# Altium PCB RoBeast_Control_Board_PCB.PcbDoc (part 1 of 3)
Units mm, origin at the board's own origin, x right, y up, seen from the top; angles counter-clockwise.
Board outline 150 x 150 mm, 4 copper layers (SIG, GND1, PWR/SIG/GND2, GND3), stack 0.603 mm thick; 310 components, 148 nets, 806 pads, 385 vias.
Unrouted connection lines stored in the file: 242.
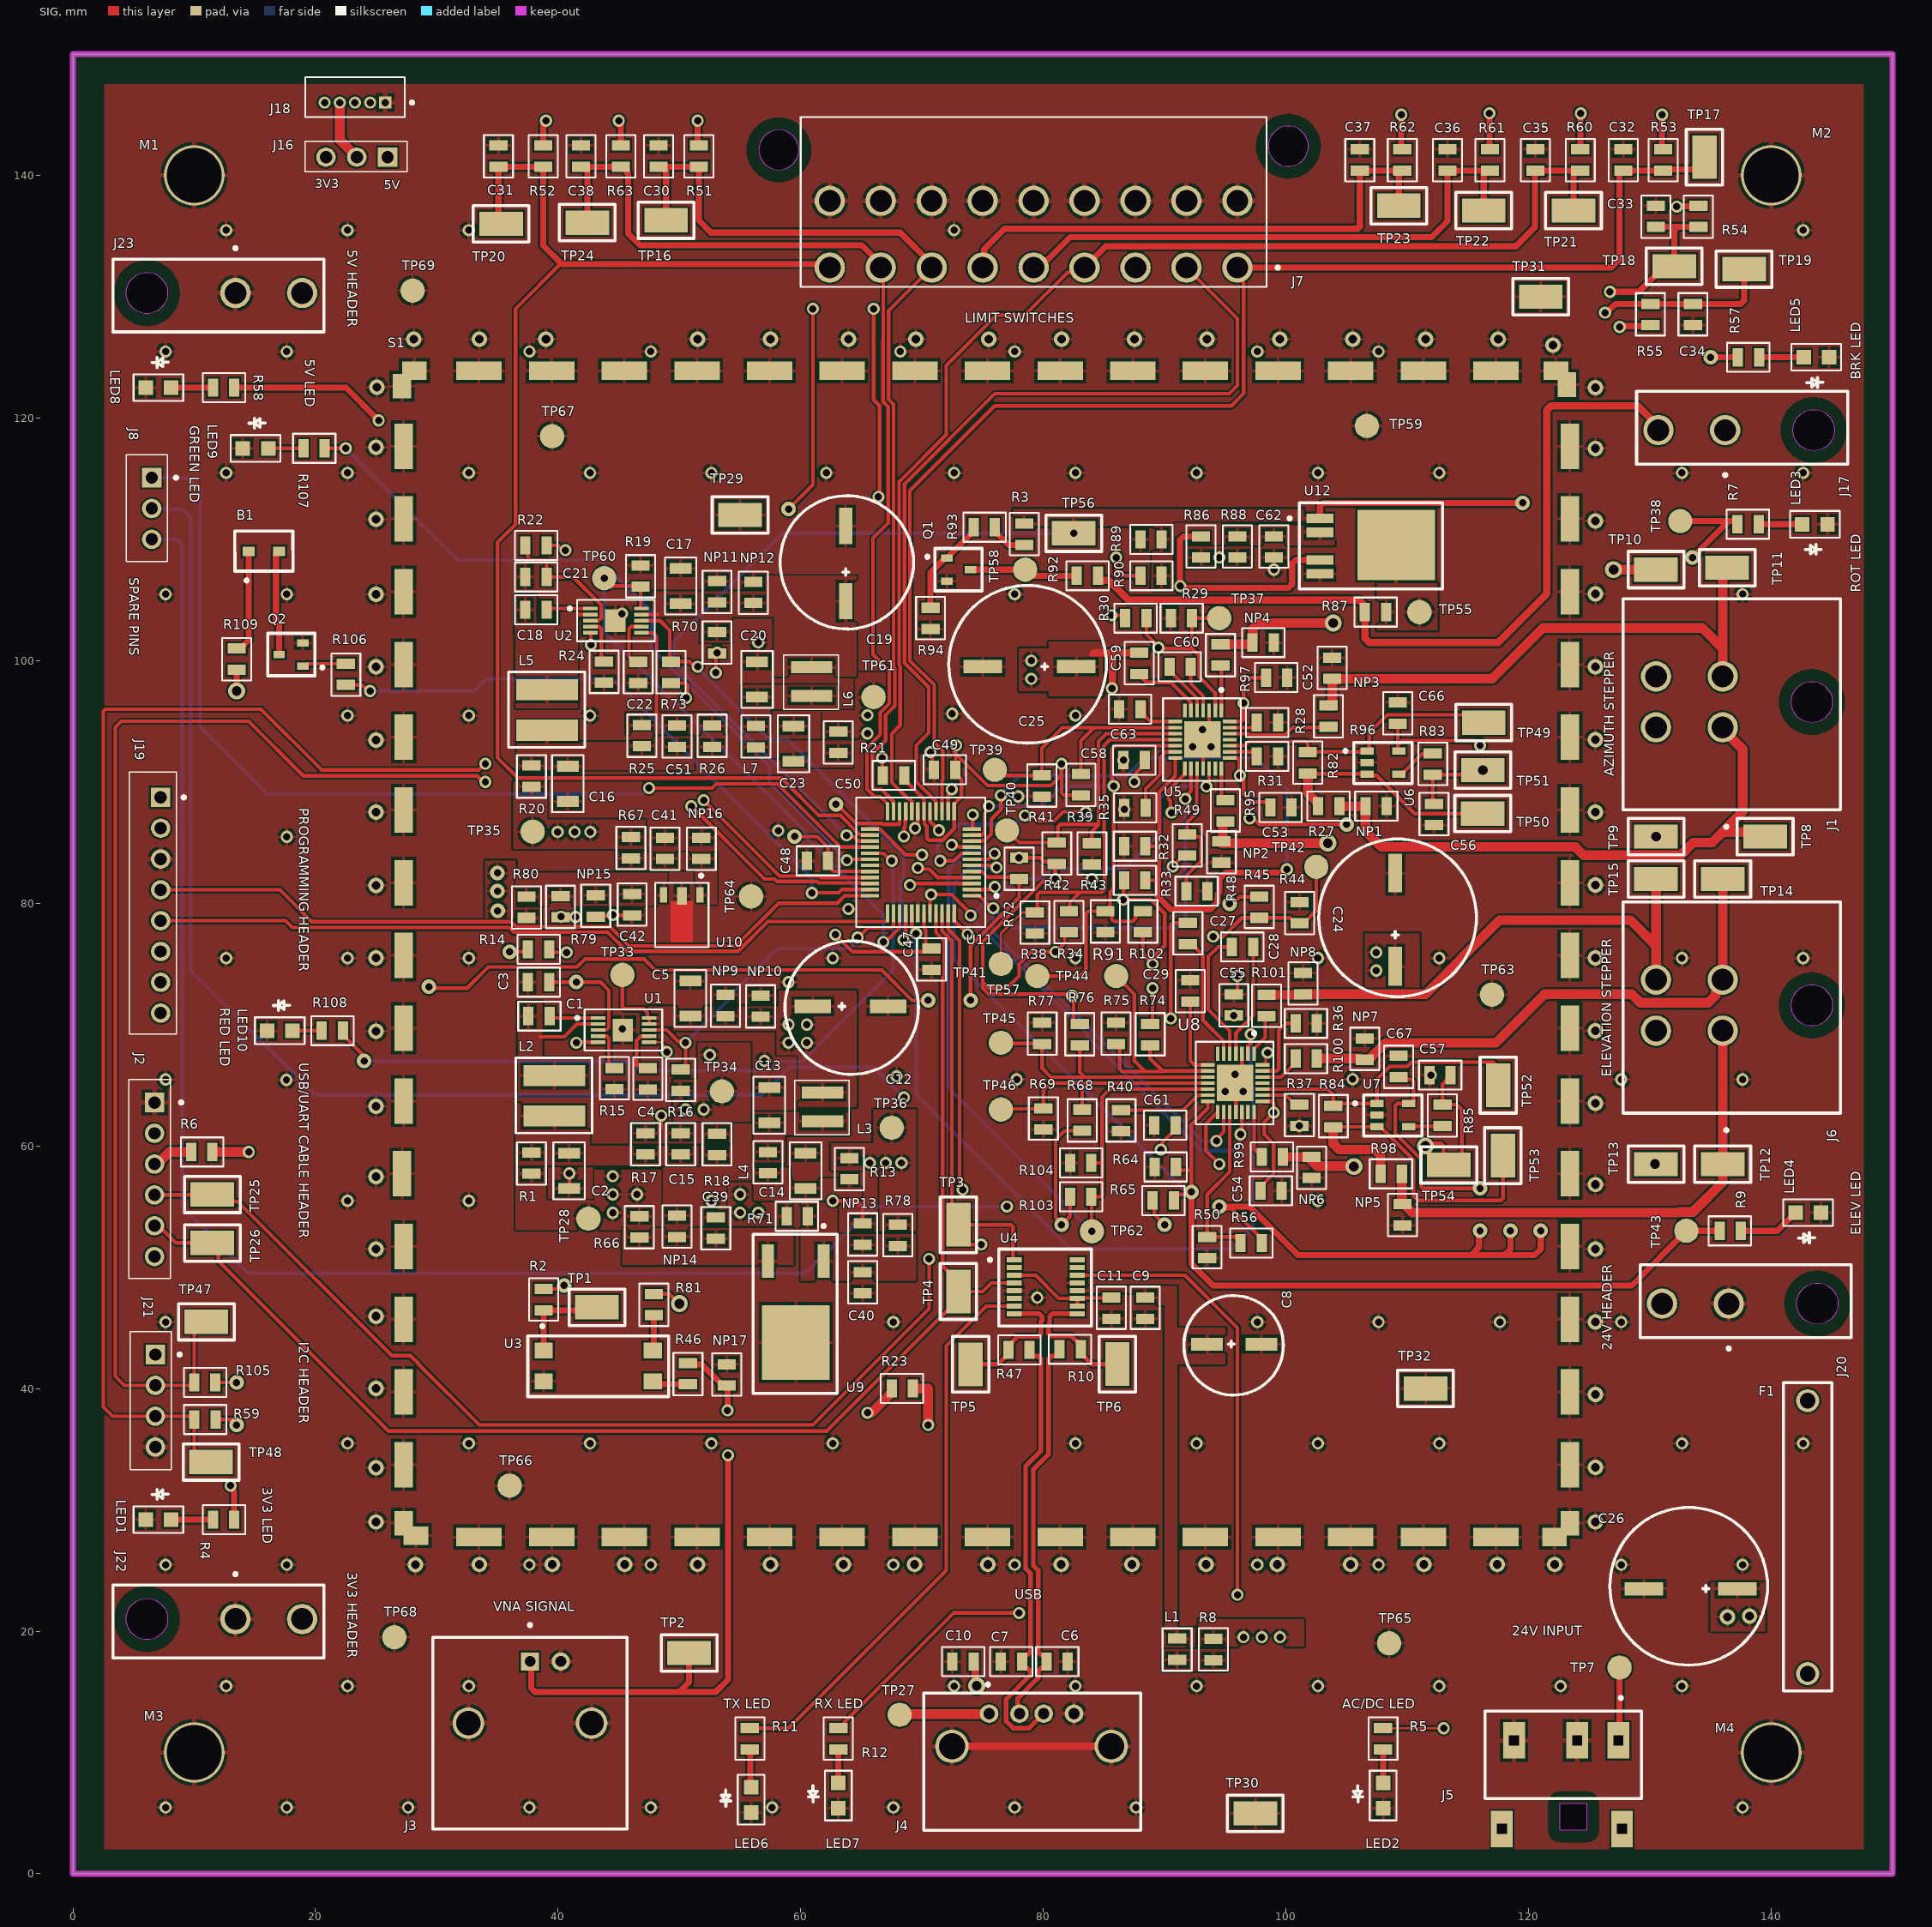
[diagram p0: SIG view]
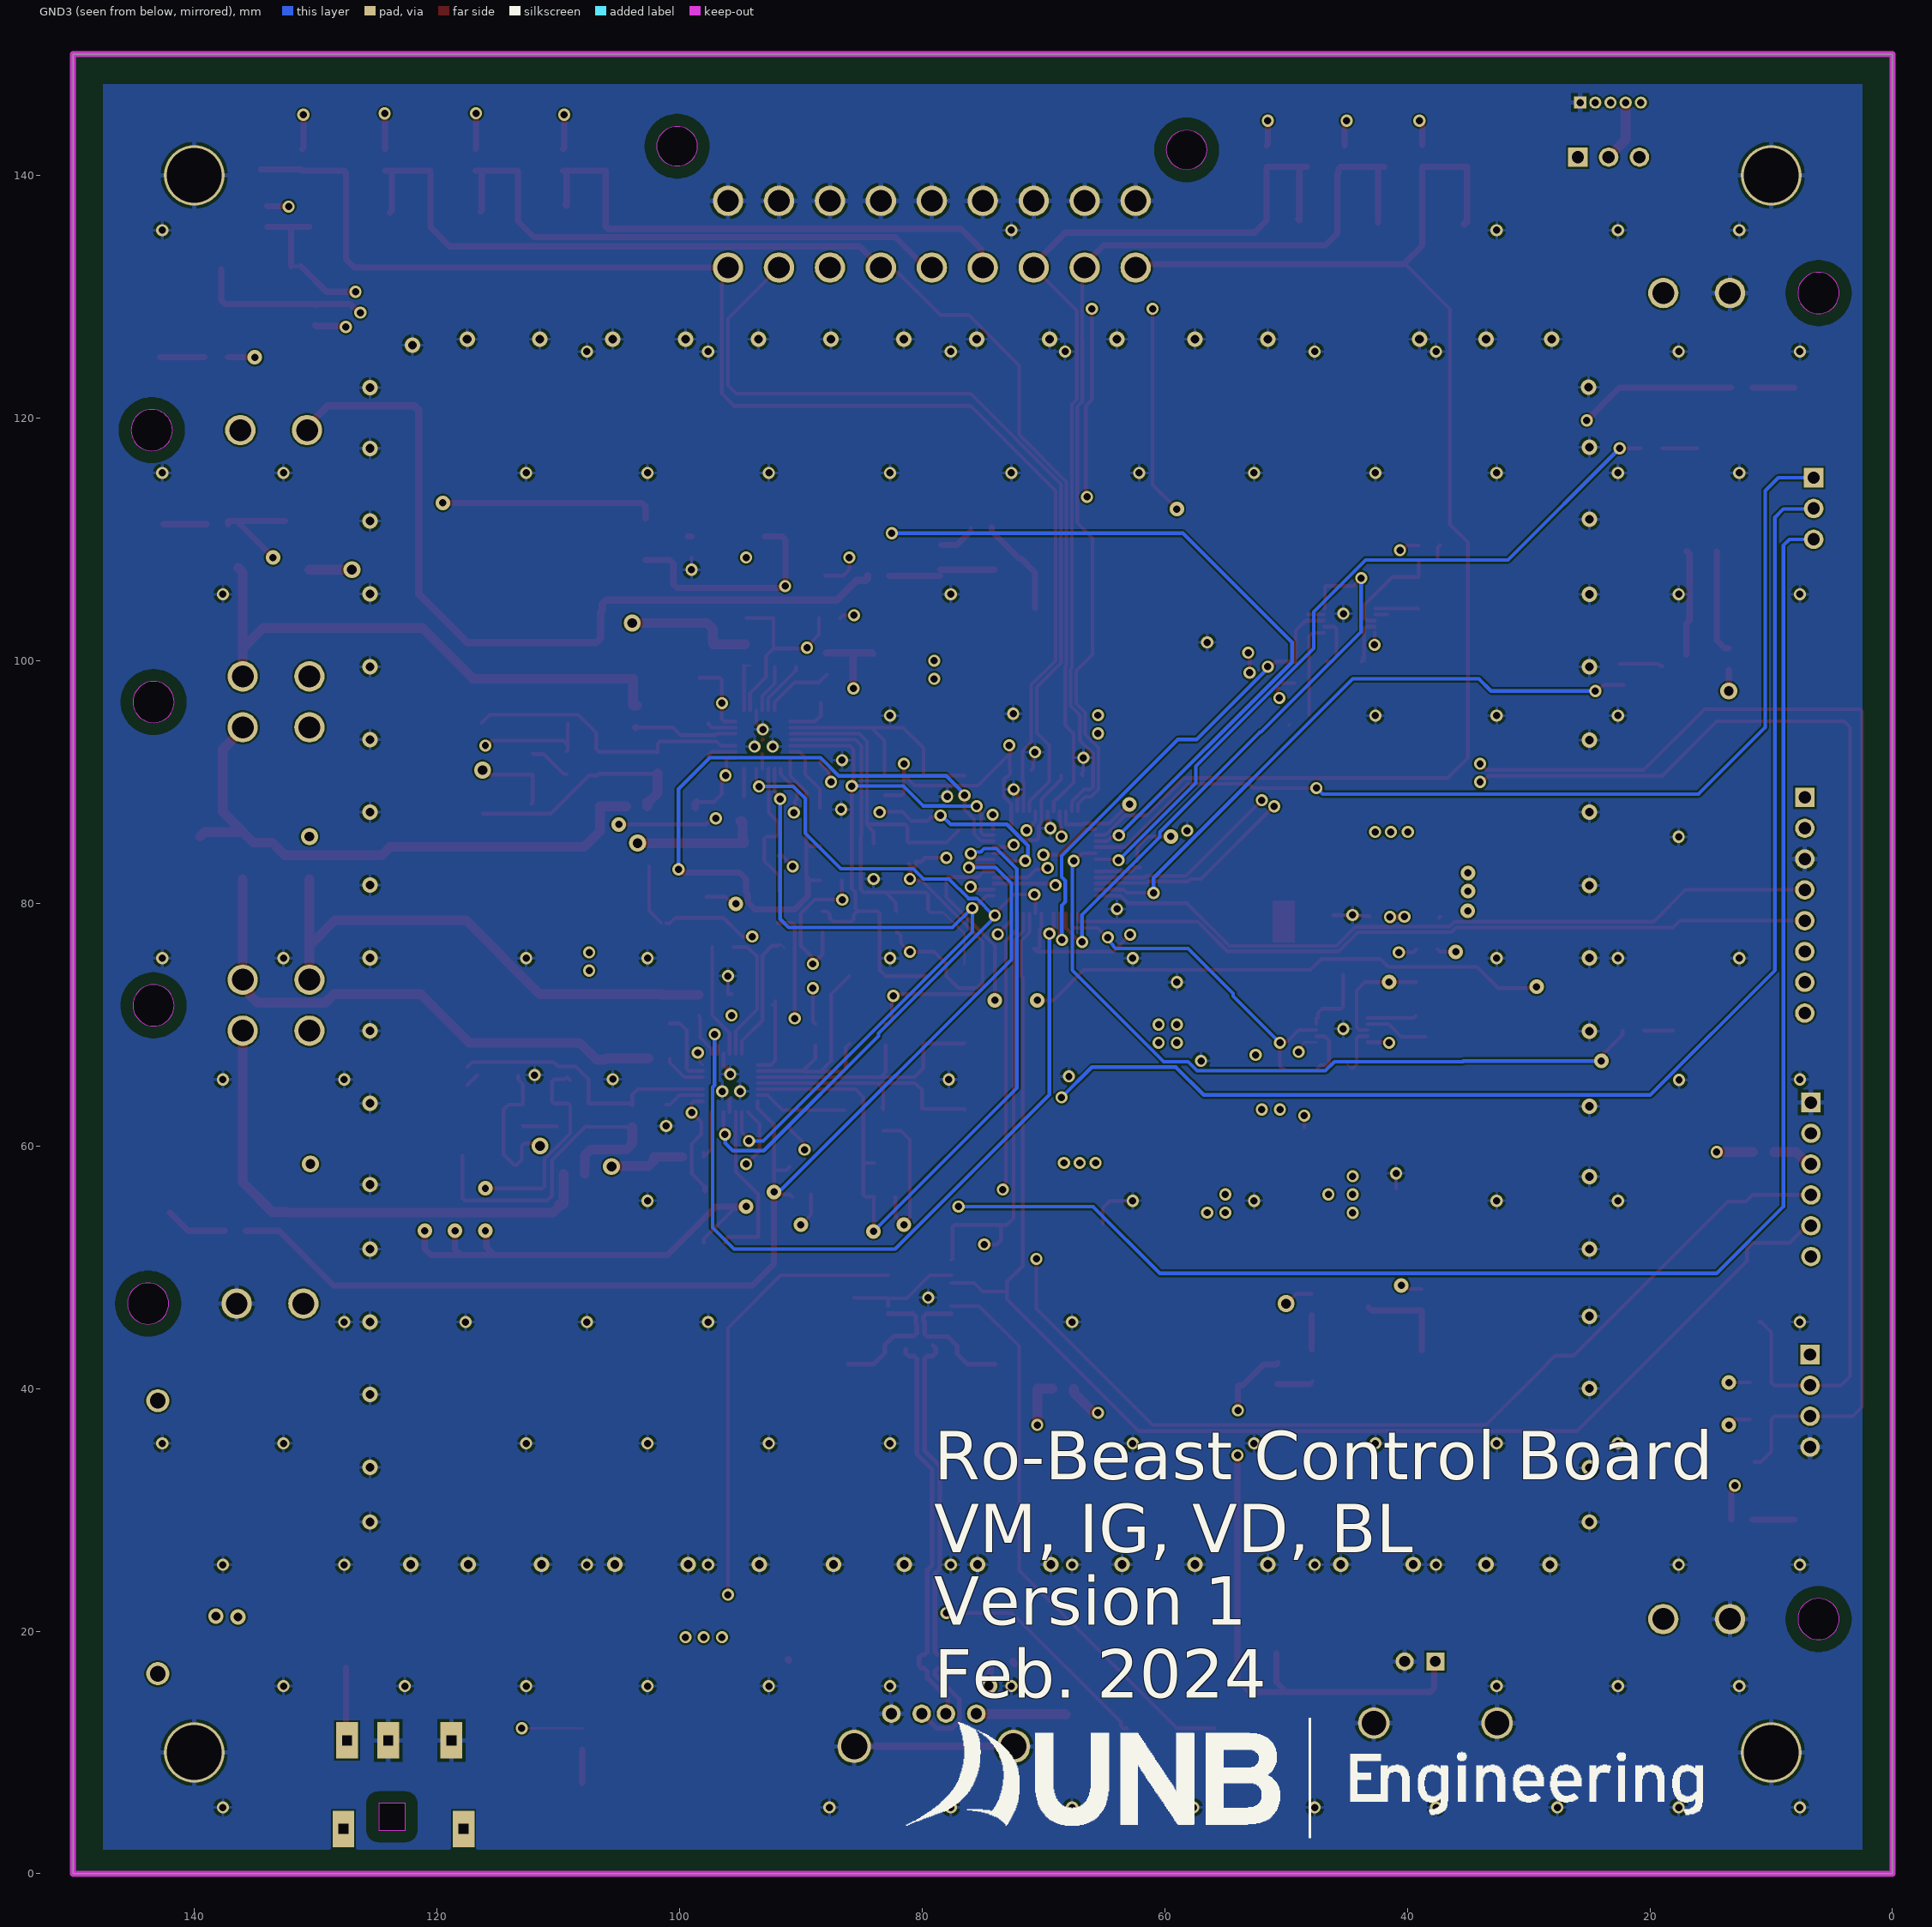
[diagram p1: GND3 view, seen from below]
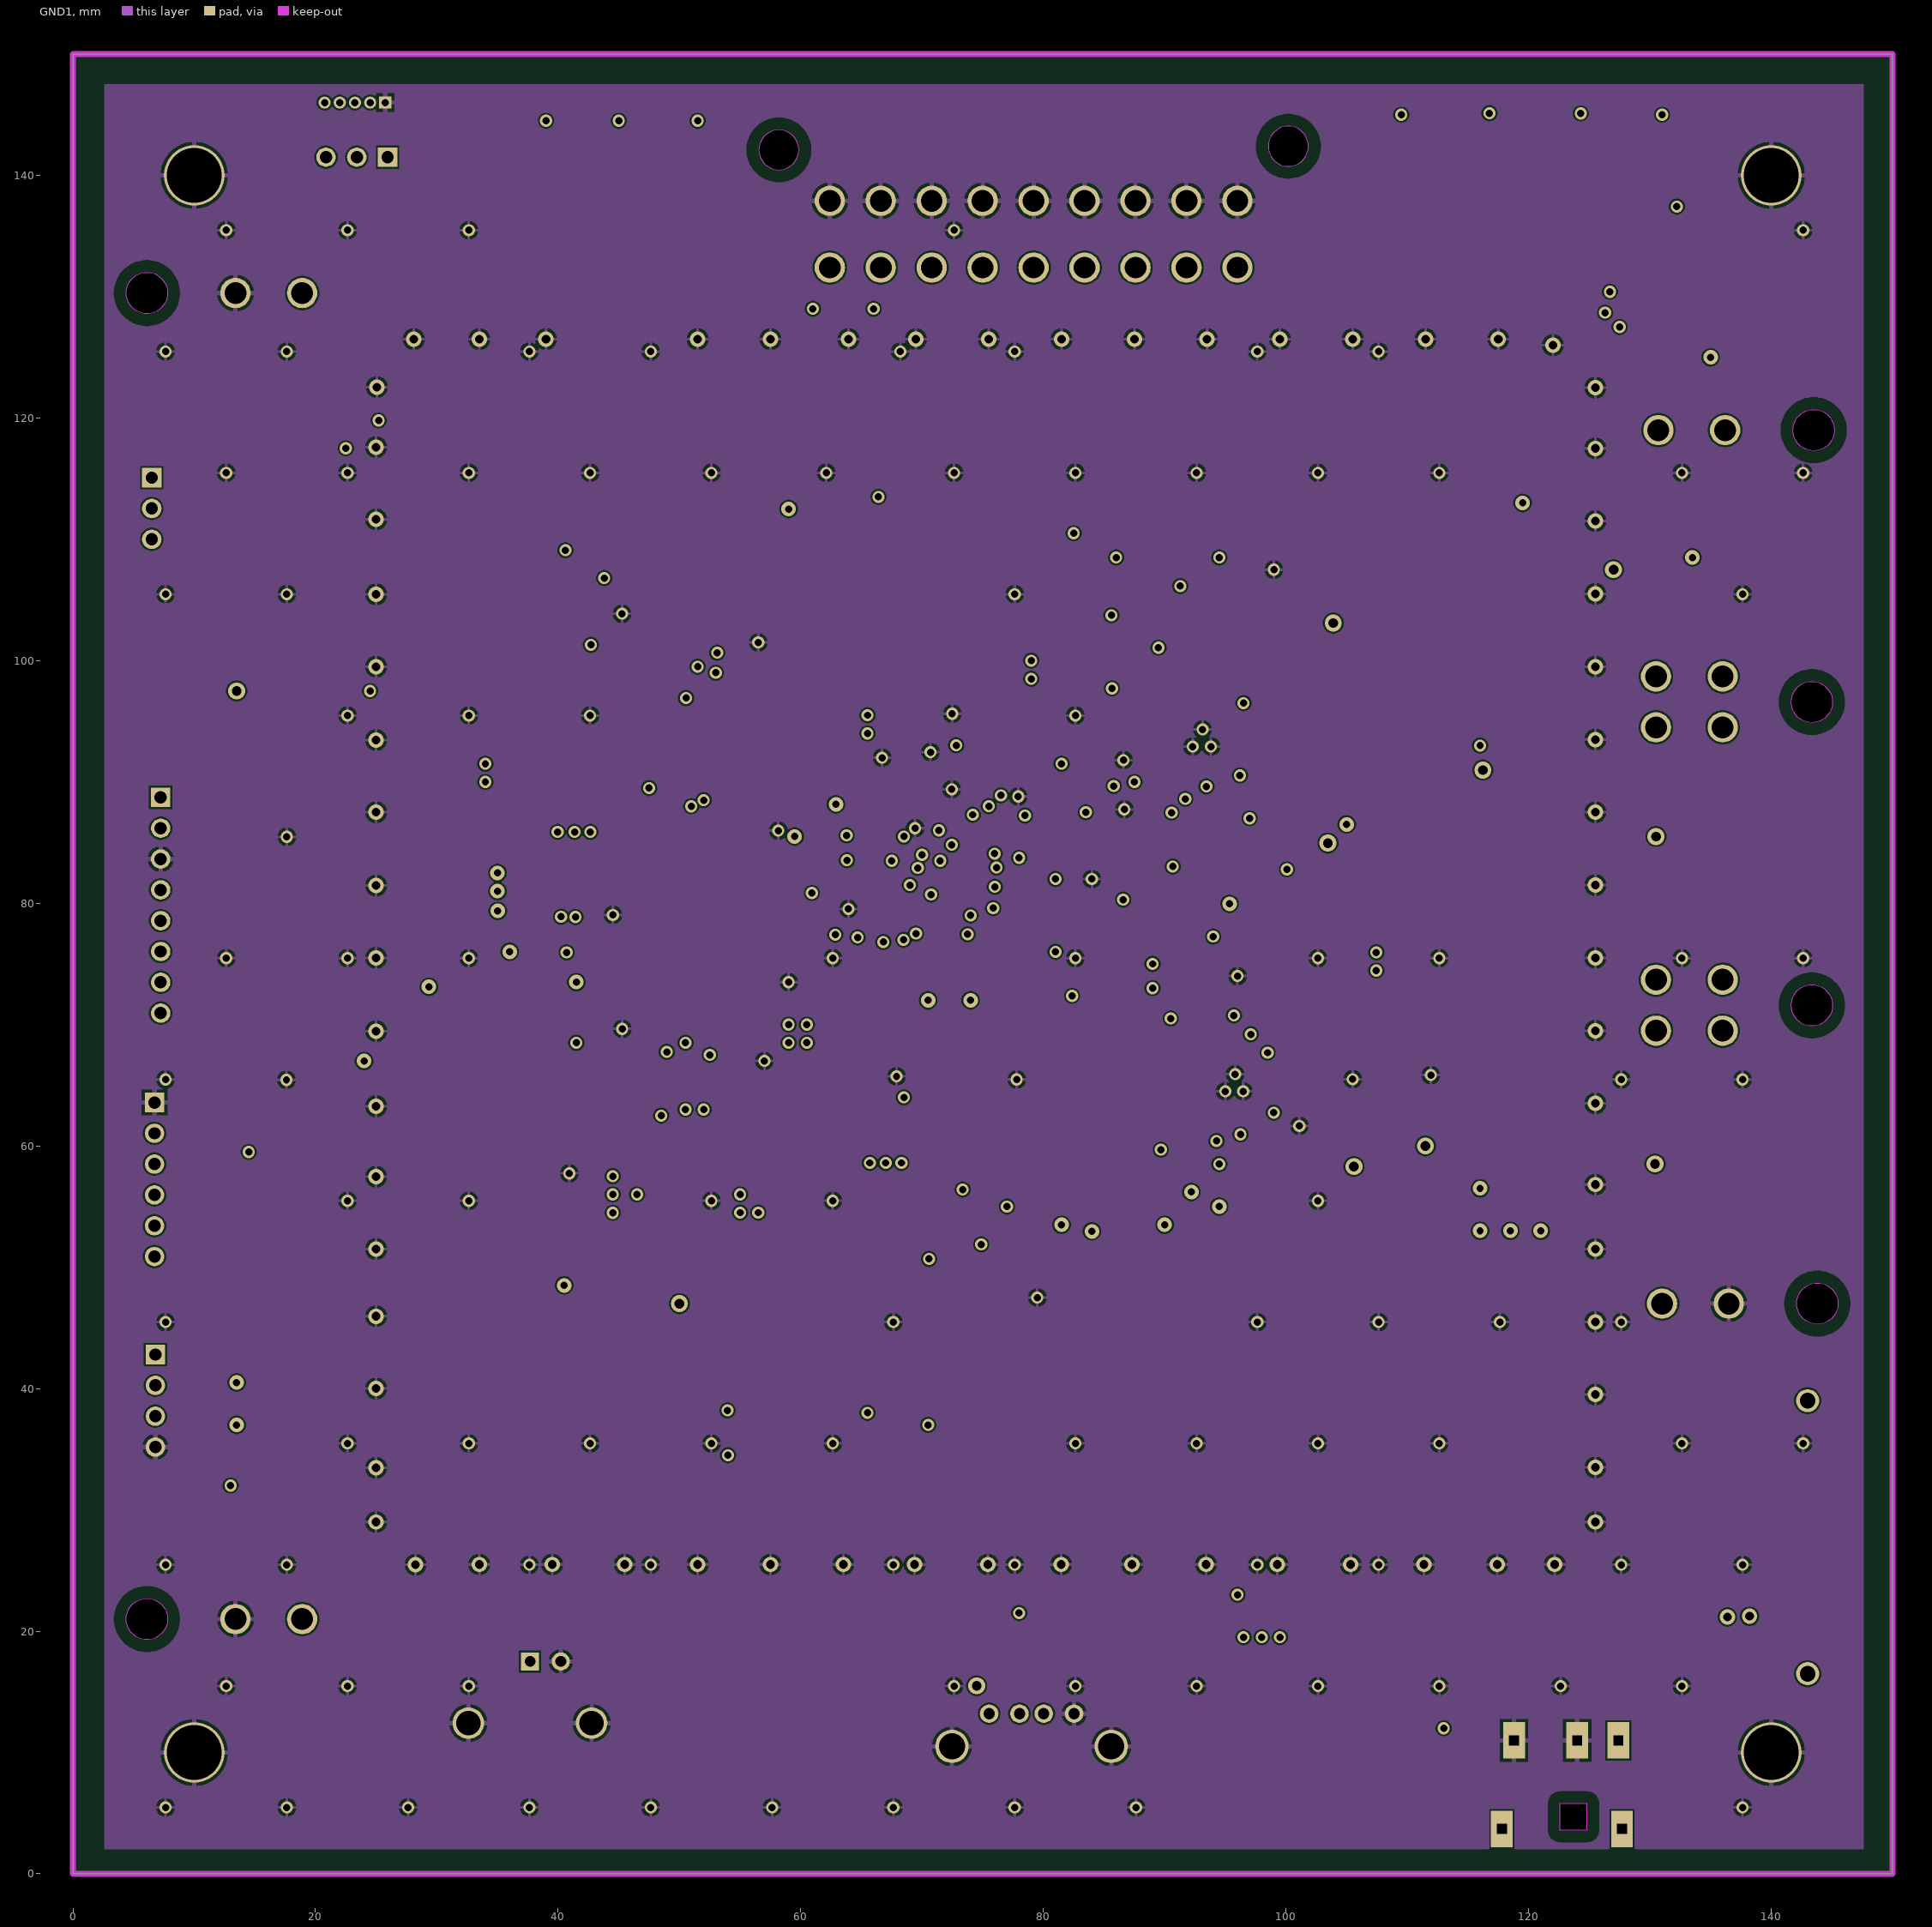
[diagram p2: GND1]
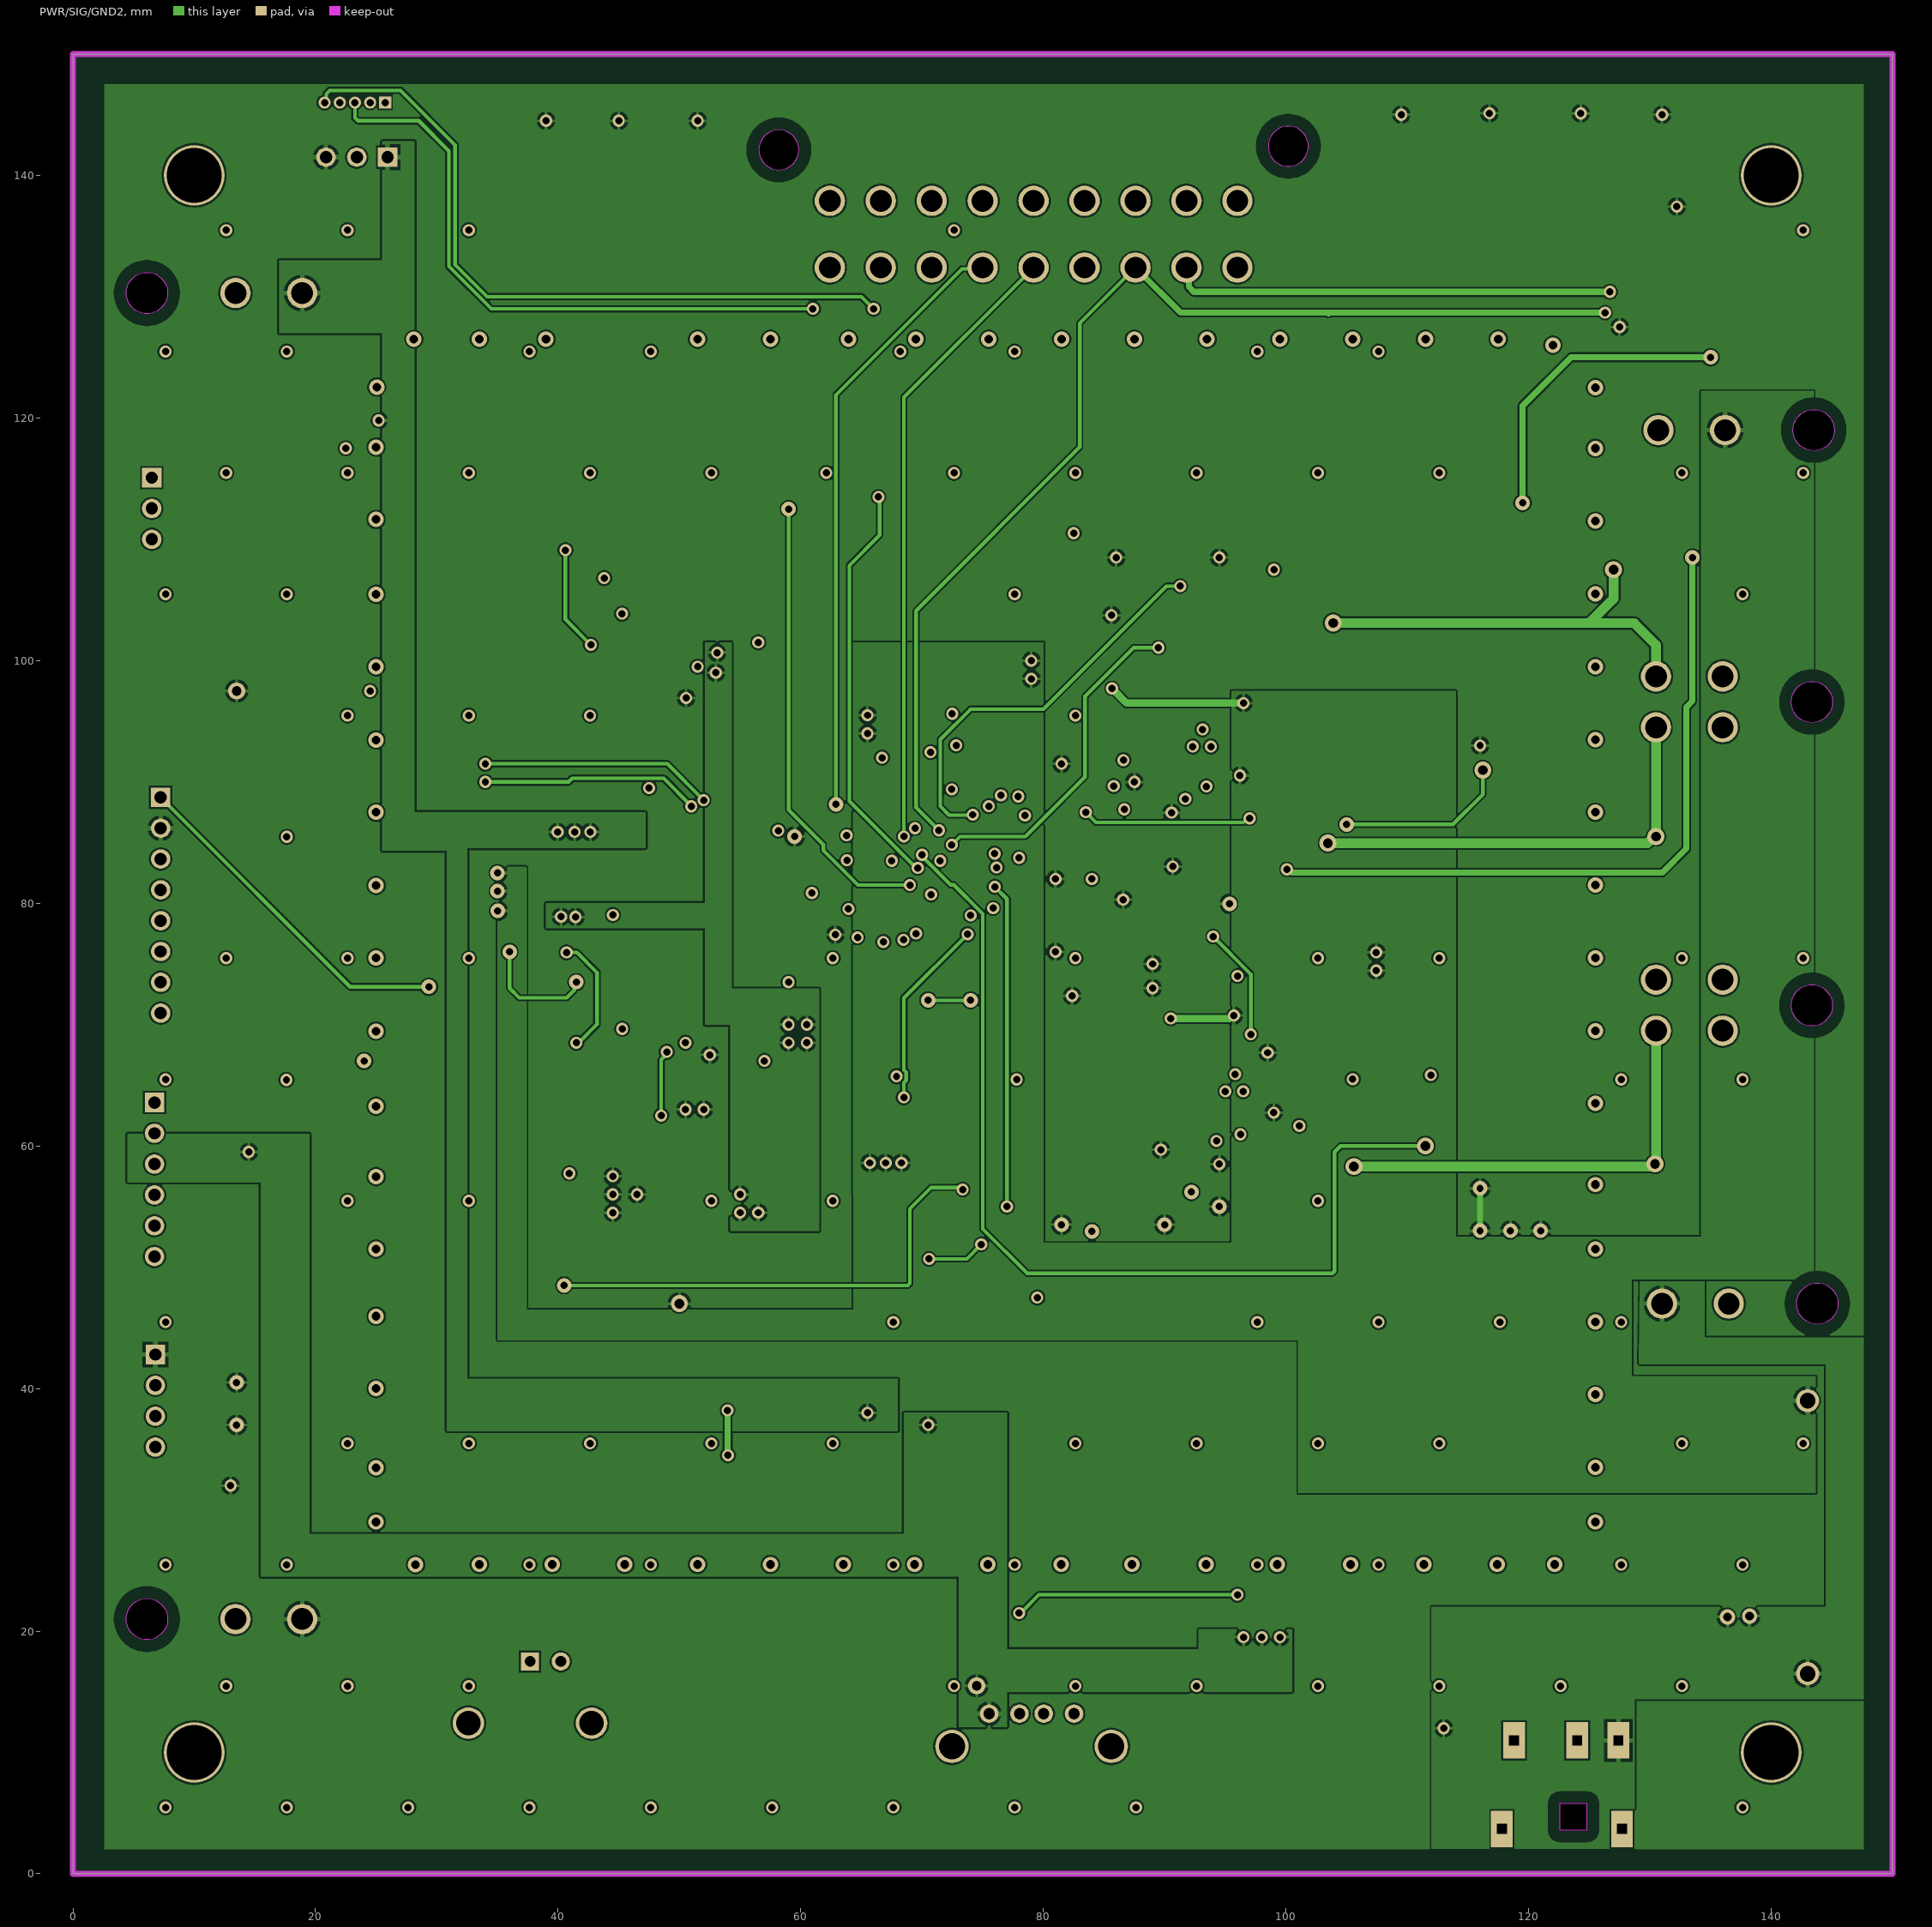
[diagram p3: PWR/SIG/GND2]
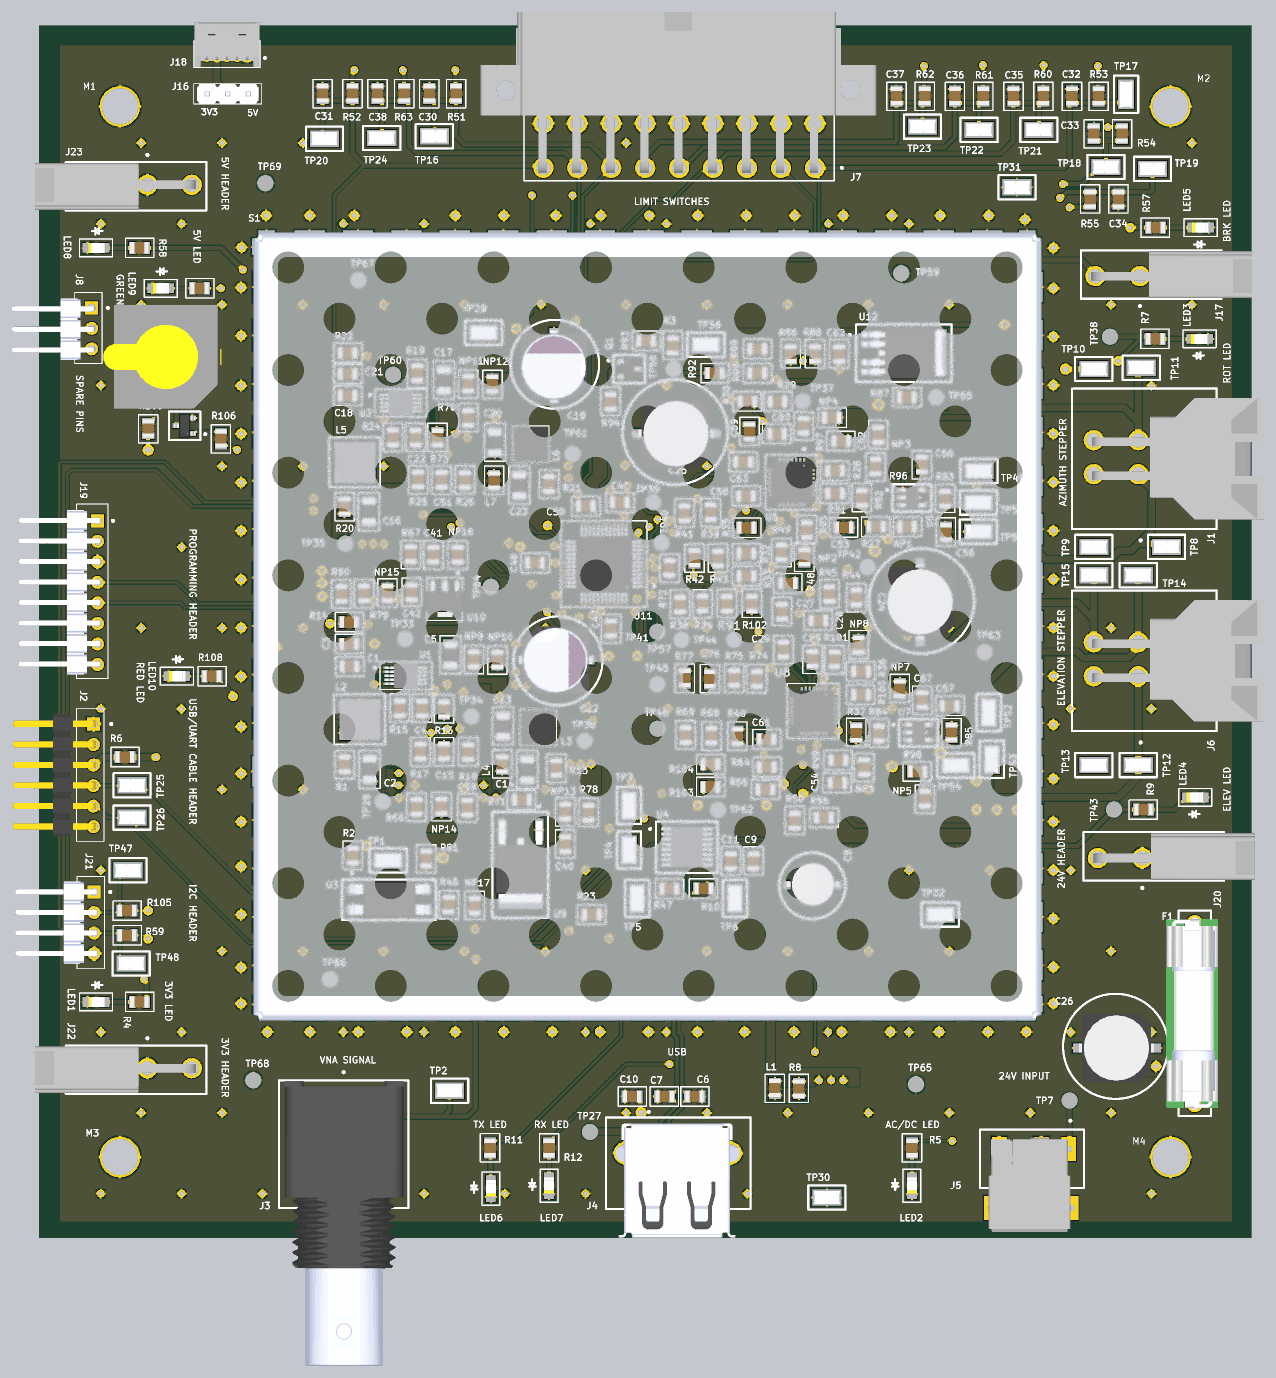
[diagram p6: 3D render of the assembled board from above, using the file's embedded part models]

## Layer stack, top to bottom
Top Solder: solder mask 0.0102, Solder Resist, Dk 3.5
SIG: signal copper 0.0356
Dielectric 2: prepreg 0.0711, PP-006, Dk 4.1
GND1: signal copper 0.035
Dielectric 1: dielectric 0.32, FR-4, Dk 4.8
PWR/SIG/GND2: signal copper 0.035
Dielectric 3: prepreg 0.0711, PP-006, Dk 4.1
GND3: signal copper 0.0356
Bottom Solder: solder mask 0.0102, Solder Resist, Dk 3.5

## Board outline
0,150 150,150 150,0 0,0
